# Altium PCB BEE_BOARD.PcbDoc (part 3 of 3) (continued)
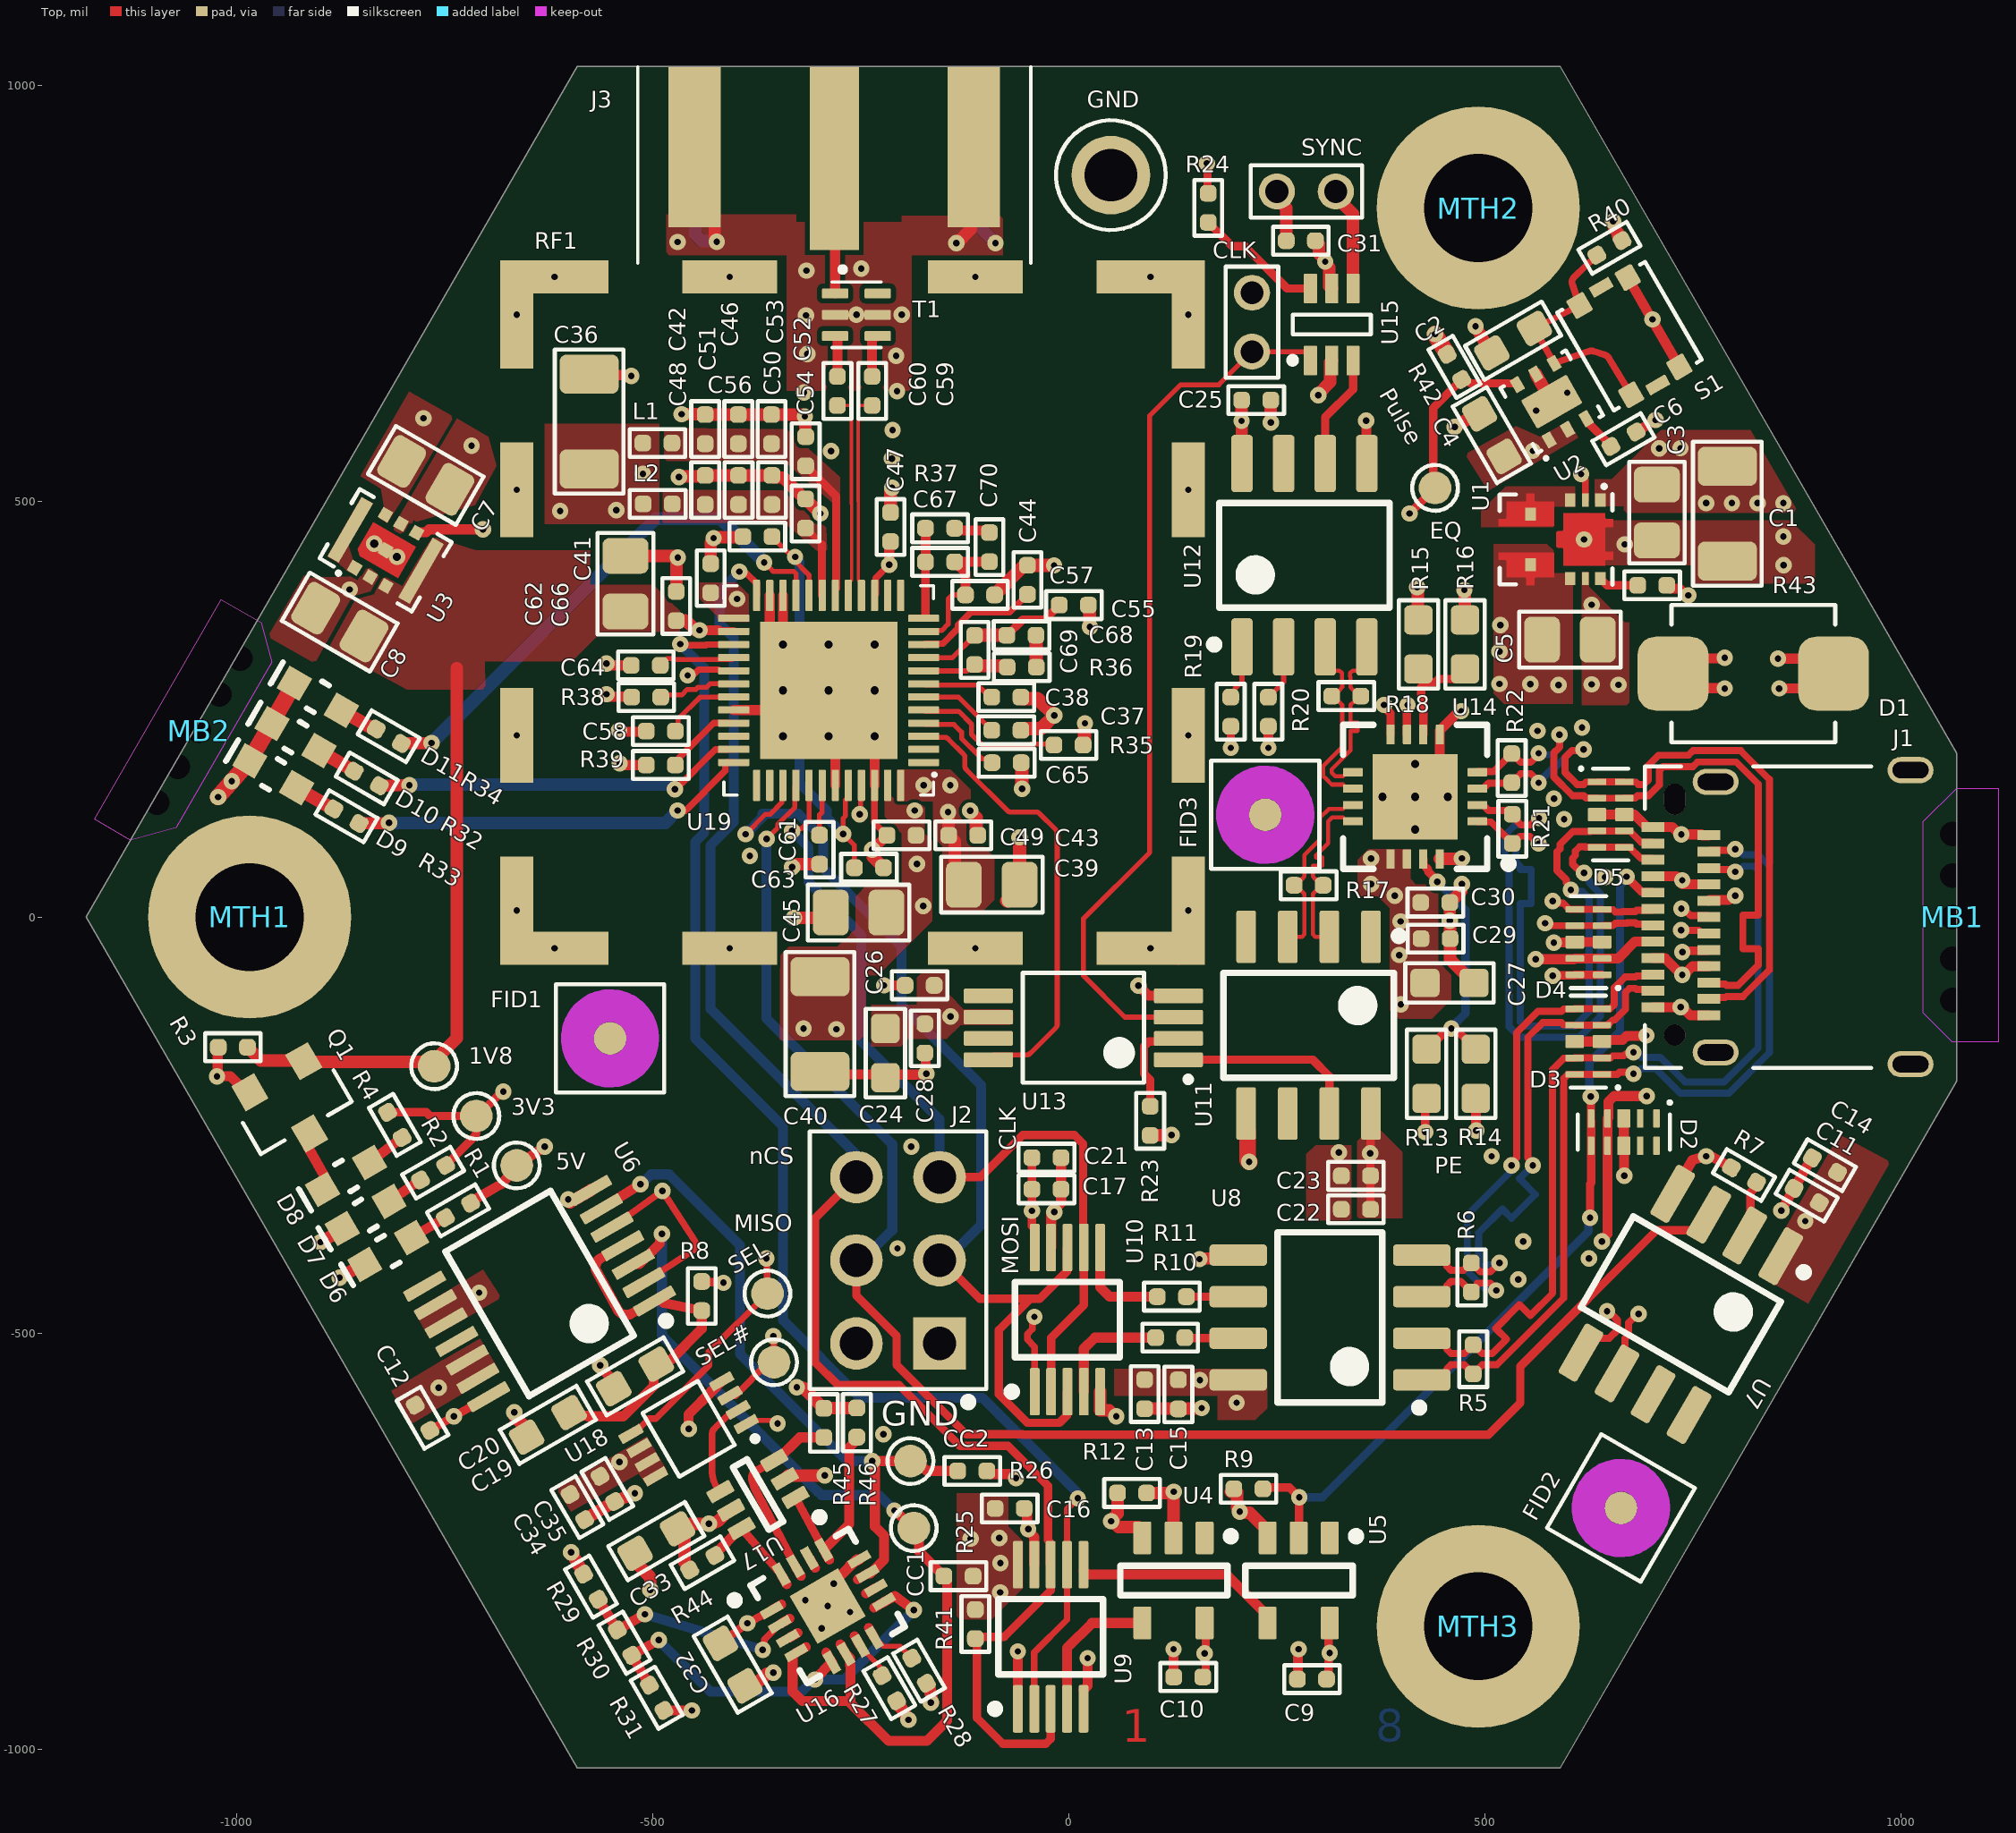
[diagram p0: Top view]
## Nets (pads, with @x,y where several pads share a name; then routed paths per layer and width w, separated by ;. In a path a pad name is that pad's centre, name@x,y a point inside that pad or via, vN(x,y) a via of type N, cw(c..) or ccw(c..) an arc to the next point about the centre after c; other vN are vias at no path point) (continued)
OUT2: R45.1 U16.15 U17.3 | length 224.6
  Top w10: U17.3@-353.89,-653.22 -375.48,-665.81 ccw(c-370.45,-674.44) -379.98,-677.48 -376.58,-688.15 U16.15@-328.61,-780.28
  Top w12: U17.3@-353.89,-653.22 -351.01,-653.22 -323.28,-625.49 R45.1@-294.32,-625.49
OUT4: R46.1 U16.13 U17.1 | length 222.2
  Top w10: U17.1@-328.3,-697.54 U16.13@-294.51,-760.6
  Top w12: U16.13@-294.51,-760.6 -263.74,-729.83 -263.74,-637.35 -258.69,-632.3 -258.69,-629.13 -257.86,-628.3 R46.1@-254.69,-628.3
PE: R13.1 R14.2 U14.15 | length 311.5
  Top w10: U14.15@426.18,69.88 426.18,62.99 431.94,57.23 431.94,54.92 442.93,43.93 v1(442.93,42.32) ; R13.1@430.12,-158.89 431.21,-158.89 455.71,-134.4 465.18,-134.4 489.18,-158.4 R14.2@489.18,-158.9
  Bottom w10: v1(442.93,42.32) 476.78,8.48 476.78,-115.77 459.96,-132.59 v1(459.96,-134.08)
PULSE: Pulse.1 R8.2 R42.1 U2.6 U18.1 | length 1970.8
  Top w6: R8.2@-441.08,-437.99 R8.2@-440.31,-438.76 ; U18.1@-387.46,-609.31 -383.03,-604.88 -357.27,-604.88 -353.56,-608.58 v1(-349.86,-608.58)
  Top w10: R8.2@-440.31,-438.76 -415.63,-438.76 v1(-414.86,-439.52) ; v1(409.6,485.28) Pulse.1@440.31,515.99 438.1,518.21 438.1,612.06 R42.1@472.34,646.31 477.97,646.31 482.64,641.63 537.68,641.63 U2.6@539.16,640.15
  Signal_1 w10: v1(-414.86,-439.52) -414.13,-440.26 -414.13,-544.32 v1(-349.86,-608.58) ; v1@-414.13,-439.52 -414.13,-340.41 -215.44,-141.73 96.5,-141.73 194.8,-43.44 194.8,108.23 263.34,176.77 263.34,339.02 v1(409.6,485.28)
RF_N: C60.2 U19.17 | length 245.5
  Top w4: C60.2@-277.91,615.11 -263.43,615.11 -261.08,612.76 -261.08,497.01 -260.92,496.85 -260.92,405 -264.8,401.13 U19.17@-264.8,386.76
RF_P: C59.2 U19.16 | length 245.5
  Top w4: U19.16@-249.05,386.76 -249.05,401.13 -252.92,405 -252.92,500.17 -253.08,500.33 -253.08,612.76 -250.74,615.11 C59.2@-236.26,615.11
RX1_N: D3.5 D3.6 J1.A3 R6.2 U8.3 | length 677.1
  Top w8.5: U8.3@424.2,-456.26 445.85,-456.26 454.4,-447.71 454.4,-442.99 459.38,-438.01 471.38,-438.01 R6.2@484.04,-450.69 484.04,-449.74 491.21,-442.57 491.21,-439.94 506.79,-439.94 513.8,-446.95 v1(513.8,-448.84) ; v1(532.14,-298.42) 532.14,-295.4 538.23,-289.31 538.23,-139.07 563.99,-113.31 592.3,-113.31 595.08,-110.53 607.8,-110.53 D3.6@608.11,-110.22 D3.5@640.98,-110.22 650.64,-110.22 655.62,-105.24 655.62,-84.88 668.51,-71.99 681.24,-71.99 682.68,-70.55 700.71,-70.55 J1.A3@702.36,-68.9
  Bottom w8.5: v1(513.8,-448.84) 511.66,-446.7 500.12,-446.7 479.01,-425.6 479.01,-358.14 530,-307.16 530,-300.56 v1(532.14,-298.42)
RX1_P: D3.4 D3.7 J1.A2 R6.1 U8.4 | length 677.1
  Top w8.5: U8.4@424.2,-406.26 445.86,-406.26 454.4,-414.8 454.4,-419.53 459.38,-424.51 474.27,-424.51 483.09,-415.69 R6.1@484.04,-415.69 494.77,-426.44 506.79,-426.44 517.54,-415.69 v1(517.68,-415.69) ; v1(557.82,-298.42) 557.82,-295.4 551.73,-289.31 551.73,-144.66 569.58,-126.81 592.3,-126.81 595.08,-129.59 607.8,-129.59 D3.7@608.11,-129.9 D3.4@640.98,-129.9 647.54,-129.9 653.73,-123.72 656.24,-123.72 669.12,-110.83 669.12,-90.47 674.1,-85.49 681.24,-85.49 682.68,-86.93 700.71,-86.93 J1.A2@702.36,-88.58
  Bottom w8.5: v1(517.68,-415.69) 515.54,-417.83 501.73,-417.83 499.56,-420.01 492.51,-420.01 492.51,-385.62 492.51,-379.61 521.15,-350.97 532.25,-362.06 560.88,-333.42 541.85,-314.39 549.88,-306.37 v1(557.82,-298.42)
RX2_N: D3.2 D3.9 J1.B3 R5.1 U8.2 | length 1079.9
  Top w8.5: U8.2@424.2,-506.26 445.86,-506.26 454.4,-514.8 454.4,-519.53 459.62,-524.75 475.49,-524.75 486.22,-514.02 496.95,-524.75 508.97,-524.75 523.21,-510.51 526.21,-507.5 513.09,-494.38 541.73,-465.74 554.85,-478.87 581.58,-452.13 581.58,-371 581.58,-183.09 595.08,-169.59 607.8,-169.59 D3.9@608.11,-169.27 D3.2@640.98,-169.27 651.22,-169.27 653.77,-166.73 667.04,-166.73 669.03,-164.74 676.6,-164.74 v1(678.74,-162.6) ; J1.B3@769.29,59.06 770.95,57.4 795.13,57.4 797.98,54.54 v1(801.01,54.54)
  Bottom w8.5: v1(678.74,-162.6) 681.77,-162.6 687.86,-168.69 711.23,-168.69 740.81,-198.28 787.63,-198.28 828.58,-157.33 828.58,56.33 823.6,61.31 810.8,61.31 804.03,54.54 v1(801.01,54.54)
RX2_P: D3.1 D3.10 J1.B2 R5.2 U8.1 | length 1079.9
  Top w8.5: U8.1@424.2,-556.26 445.86,-556.26 454.4,-547.71 454.4,-543.23 459.38,-538.25 475.49,-538.25 R5.2@486.22,-549 496.95,-538.25 514.56,-538.25 595.08,-457.72 595.08,-193.94 600.06,-188.96 659.38,-188.96 661.92,-186.42 676.87,-186.42 v1(678.74,-188.28) ; J1.B2@769.29,78.74 770.71,80.16 799.59,80.16 v1(801.01,81.57)
  Bottom w8.5: v1(678.74,-188.28) 681.77,-188.28 687.86,-182.19 705.63,-182.19 735.22,-211.78 793.22,-211.78 842.08,-162.92 842.08,61.92 829.19,74.81 810.8,74.81 804.03,81.57 v1(801.01,81.57)
SBU1: D5.1 D5.10 J1.B8 R12.1 U4.2 | length 1500.9
  Top w10: v1(581.63,-70.38) 582.15,-69.86 607.78,-69.86 D5.10@608.3,-69.33 D5.1@641.18,-69.33 ; v1(737.48,-42.13) 739.34,-40.28 758.7,-40.28 768.39,-40.28 J1.B8@769.29,-39.37
  Top w15: R12.1@93.66,-692.3 v1@118.75,-692.3 ; U4.2@125.95,-746.23 126.08,-746.11 126.08,-690.87 v1(126.2,-690.75)
  Signal_1 w10: v1(126.2,-690.75) 241.59,-575.36 635.53,-575.36 725.74,-485.15 725.74,-295.72 667.17,-237.16 667.17,-215.92 581.63,-130.38 581.63,-69.33 608.83,-42.13 v1(737.48,-42.13)
SBU2: D2.5 D2.6 J1.A8 R9.1 U5.2 | length 1065
  Top w10: R9.1@233.52,-687.3 235.1,-685.71 265.28,-685.71 v1(277.16,-697.59) 276.79,-697.96 276.79,-745.86 U5.2@276.42,-746.23 ; v1(626.57,-361.29) 626.57,-320.72 627.8,-319.48 D2.6@627.8,-274.86 627.8,-245.43 627.66,-245.28 627.66,-215.72 v1(627.52,-215.57) ; v1(670.45,48.72) 688.73,30.43 701.46,30.43 J1.A8@702.36,29.53
  Bottom w10: v1(277.16,-697.59) 304.8,-697.59 624.71,-377.68 624.71,-363.14 v1(626.57,-361.29) ; v1(627.52,-215.57) 625.92,-213.98 625.92,-174.26 662.68,-137.5 662.68,38.43 670.45,46.2 v1(670.45,48.72)
SEL: SEL.1 U9.1 U14.8 U18.5 | length 2211
  Top w8: U18.5@-526.09,-621.15 -522.85,-621.15 -504.75,-603.05 -496.61,-603.05 -432.32,-538.76 -432.32,-522.81 SEL.1@-362.02,-452.52 -360.11,-450.6 -362.72,-447.99 -362.72,-411.01 v1(-363.42,-410.32)
  Top w10: v1(378.98,255.17) 378.98,252.67 386.81,244.84 U14.8@386.81,219.49
  Top w12: v1(-61.18,-882.65) -61.1,-882.73 -61.1,-951.69 U9.1@-61.02,-951.77
  Signal_1 w10: v1(-61.18,-882.65) -163.61,-780.22 -211.56,-780.22 -327.28,-664.5 -327.28,-604.51 -373.92,-557.88 -373.92,-467.42 -363.42,-456.93 v1(-363.42,-410.32) -363.42,-363.47 -231.37,-231.42 123.64,-231.42 276.42,-78.64 276.42,152.6 v1(378.98,255.17)
SEL#: SEL#.1 U10.1 U14.7 U18.3 | length 1502.3
  Top w8: U18.3@-407.14,-575.21 -400.83,-575.21 -360.71,-535.09 SEL#.1@-354.15,-535.09 -354.61,-534.63 -354.61,-504.07 v1(-355.07,-503.61) ; v3(-41.32,-480.52) -43.55,-482.76 -43.55,-495.06 -49.67,-501.18 -49.67,-507.8 -40.86,-516.61 U10.1@-40.86,-570.49
  Top w10: U14.7@406.5,219.49 406.57,219.57 406.57,254.43 v1(407.32,255.17)
  Signal_1 w8: v1(-355.07,-503.61) -324.49,-473.02 -120.39,-473.02 -112.89,-480.52 -42.19,-480.52 -41.75,-480.08 -40.48,-481.36 -15.47,-481.36 148.89,-317 148.89,-303.03 339.75,-112.16 339.75,187.61 v1(407.32,255.17)
SEL_3V3: U17.4 U18.2 | length 115.9
  Top w8: U17.4@-418.67,-690.62 cw(c-394.91,-666.85) -428.52,-666.85 -428.52,-620.95 cw(c-420.52,-620.99) -426.2,-615.36 -412.1,-601.26 cw(c-389.21,-624.4) -399.22,-593.43 ccw(c-400.69,-588.87) U18.2@-397.3,-592.26
SPICLK: J2.5 U10.2 U10.7 U19.41 | length 1070.2
  Top w6: v1(-332.38,103.68) -329.76,106.3 -321.34,106.3 -312.04,115.59 U19.41@-312.04,158.41
  Top w10: J2.5@-155.2,-312.52 -105.79,-312.52 -55.17,-261.91 6.74,-261.91 17.36,-272.52 17.36,-396.43 U10.7@18.19,-397.27 18.19,-466.4 -21.18,-505.77 U10.2@-21.18,-570.49
  Bottom w12: v1(-332.38,103.68) -312.66,83.95 -312.66,42.21 -249.28,-21.17 -249.28,-149.07 -155.2,-243.15 J2.5@-155.2,-312.52
SPIMISO: J2.4 U7.3 U19.40 | length 1961.9
  Top w6: v1(-363.2,93.94) -349.84,107.3 -349.84,111.47 -329.12,132.18 -329.12,157.08 U19.40@-327.79,158.41
  Top w10: J2.4@-255.2,-412.52 -255.2,-455.05 -206.76,-503.49 -206.76,-538.28 -123.28,-621.75 -55.54,-621.75 -55.26,-622.04 504.55,-622.04 542.66,-583.93 542.66,-540.12 706.34,-376.43 750.39,-376.43 U7.3@769.21,-357.61
  Bottom w12: v1(-363.2,93.94) -363.2,-121.85 -212,-273.05 -212,-376.36 -248.16,-412.52 J2.4@-255.2,-412.52
SPIMOSI: J2.3 U10.3 U10.8 U19.39 | length 1293.5
  Top w6: v1(-388.21,99.79) -364.26,123.74 -358.71,123.74 -344.87,137.58 -344.87,157.08 U19.39@-343.54,158.41
  Top w10: J2.3@-155.2,-412.52 -153.03,-412.52 -106.89,-458.66 -46.1,-458.66 ; U10.3@-1.49,-570.49 -2.4,-571.4 -2.4,-599.4 -11.04,-608.04 -49.46,-608.04 -83.92,-573.58 -83.92,-496.48 -46.1,-458.66 ; U10.8@-1.49,-397.27 -2.4,-398.17 -2.4,-426.17 -34.9,-458.66 -46.1,-458.66
  Bottom w12: v1(-388.21,99.79) -367.93,120.07 -367.93,124.31 -324.95,124.31 -295.13,94.49 -295.13,58.76 -201.07,-35.3 -201.07,-105.96 -105.2,-201.82 -105.2,-369.91 -151.5,-416.22 -155.2,-419.91 J2.3@-155.2,-412.52
SPInCS: J2.6 R41.1 U9.3 U9.8 U19.24 | length 1944.7
  Top w8: v1(-395.8,415.3) -393.56,413.06 -386.97,413.06 -375.03,401.13 U19.24@-375.03,386.76
  Top w10: J2.6@-246.97,-304.29 -304.89,-362.21 -304.89,-534.94 -277.31,-562.52 -203.91,-562.52 -130.67,-635.75 -72.91,-635.75 -24.89,-683.77 -24.89,-749.14 -22.56,-751.47 -22.56,-777.64 U9.8@-21.65,-778.54 -21.75,-778.64 -21.75,-809.33 -77.57,-865.16 -110,-865.16 R41.1@-110.44,-865.6 ; R41.1@-112.2,-867.36 R41.1@-110.44,-865.6 ; U9.3@-21.65,-951.77 -21.75,-951.87 -21.75,-987.91 -27.61,-993.77 -79.17,-993.77 -110.44,-962.5 R41.1@-110.44,-865.6
  Bottom w12: v1(-395.8,415.3) -419.52,391.59 -419.52,352.53 -402.67,335.68 -402.67,114.17 -430.57,86.27 -430.57,-110.2 -255.2,-285.57 J2.6@-255.2,-312.52
SYNC: SYNC.2 U15.4 U19.29 | length 1272.8
  Top w8: v1(-457.89,290.68) -455.65,292.92 -449.56,292.92 -444.9,297.58 -420.83,297.58 -419.79,296.54 -402.92,296.54 U19.29@-402.59,296.21
  Top w15: SYNC.2@321.02,872.36 321.02,866.24 341.75,845.5 U15.4@341.75,755.78
  Signal_1 w10: v1(-457.89,290.68) -456.14,292.43 -240.52,292.43 -135.21,397.74 -135.21,409.2 166.11,710.53 166.11,788.34 192.45,814.68 292.04,814.68 319.45,842.09 319.45,870.79 SYNC.2@321.02,872.36
SYNC_BB_LVDS_N: R18.1 U12.4 U14.9 | length 229.8
  Top w5: U14.9@341.54,174.21 334.65,174.21 329.8,169.37 320.24,169.37 316.05,173.56 316.05,177.7 338.66,200.32 338.66,211.35 338.66,223.85 346.95,223.85 346.95,233.85 338.66,233.85 338.66,254.92 338.66,255.32 341.59,258.25 341.77,258.25 R18.1@349.27,265.75 ; R18.1@351.16,265.75 R18.1@349.27,265.75 ; U12.4@358.27,324.8 358.27,306.47 348.07,296.27 341.2,296.27 338.27,293.34 338.27,289.2 338.66,288.81 338.66,276.18 341.59,273.25 341.77,273.25 R18.1@349.27,265.75
SYNC_BB_LVDS_P: R18.2 U12.3 U14.10 | length 229.8
  Top w5: U12.3@308.27,324.8 308.27,306.47 318.46,296.27 325.34,296.27 328.27,293.34 328.27,285.06 328.66,284.67 328.66,276.18 325.73,273.25 325.56,273.25 R18.2@318.06,265.75 ; R18.2@316.16,265.75 R18.2@318.06,265.75 ; U14.10@341.54,154.53 334.65,154.53 329.8,159.37 316.1,159.37 308.98,166.49 306.05,169.42 306.05,181.85 328.66,204.46 328.66,255.32 325.73,258.25 325.56,258.25 R18.2@318.06,265.75
SYNC_LVCMOS: U12.6 U15.3 | length 137.8
  Top w10: U12.6@308.27,545.28 308.27,601.02 341.75,634.5 U15.3@341.75,669.16
TX1_N: D4.2 D4.9 J1.B10 R22.1 U14.4 | length 813.2
  Top w8.5: U14.4@491.14,174.21 491.81,174.88 510.73,174.88 R22.1@532.48,196.63 532.66,196.63 543.21,186.08 555.23,186.08 564.78,195.63 v1(564.78,197.03) ; v1(589.79,219.49) 589.98,219.31 589.98,204.35 583.1,197.48 583.1,168.44 605.45,146.1 619.1,146.1 621.88,143.32 634.6,143.32 D4.2@634.91,143.01 D4.9@667.78,143.01 668.1,143.32 680.81,143.32 683.59,146.1 697.05,146.1 709.93,158.99 709.93,176.67 714.37,181.1 750.31,181.1 755.81,186.6 802.1,186.6 828.6,160.09 828.6,47.27 828.6,2.52 810.2,2.52 810.2,-37.98 828.6,-37.98 828.6,-52.44 828.6,-57.94 804.71,-81.83 790.42,-81.83 788.98,-80.4 770.95,-80.4 J1.B10@769.29,-78.74
  Bottom w8.5: v1@563.94,197.03 565.82,195.15 580.77,195.15 589.98,204.35 589.98,219.31 v1(589.79,219.49)
TX1_P: D4.1 D4.10 J1.B11 R22.2 U14.3 | length 813.2
  Top w8.5: U14.3@491.14,154.53 498.03,154.53 504.55,161.04 531.89,161.04 543.41,172.58 555.23,172.58 564.78,163.04 v1(564.78,161.63) ; v1(618.72,201.72) 617.39,200.39 605.1,200.39 596.6,191.89 596.6,174.04 611.04,159.6 619.1,159.6 621.88,162.38 634.6,162.38 D4.1@634.91,162.69 D4.10@667.78,162.69 668.1,162.38 681.63,162.38 684.41,159.6 691.45,159.6 696.43,164.58 696.43,182.26 708.78,194.6 744.72,194.6 750.22,200.1 807.69,200.1 842.1,165.68 842.1,-49.21 842.1,-63.53 810.3,-95.33 790.42,-95.33 788.98,-96.77 770.95,-96.77 J1.B11@769.29,-98.43
  Bottom w8.5: v1(564.78,161.63) 564.78,162.01 581.45,178.68 583.39,178.68 605.1,200.39 617.39,200.39 v1(618.72,201.72)
TX2_N: D4.5 D4.6 J1.A10 R21.1 U14.2 | length 813.8
  Top w8.5: U14.2@491.14,134.84 498.03,134.84 504.55,128.33 528.55,128.33 R21.1@533.16,123.71 533.16,122.77 538.91,117.02 538.91,115.74 543.89,110.76 554.69,110.76 562.91,118.98 v1(565.26,118.98) ; v1(619.25,53.22) 616.22,53.22 610.63,58.81 610.56,58.81 605.58,63.79 605.58,70.83 609.03,74.27 609.03,79.5 614,84.48 621.05,84.48 621.26,84.26 634.6,84.26 D4.5@634.91,83.95 D4.6@667.78,83.95 674.34,83.95 687.74,70.55 700.71,70.55 J1.A10@702.36,68.9
  Bottom w8.5: v1(565.26,118.98) 562.91,118.98 554.69,110.76 536.59,110.76 523.7,97.87 523.7,60.48 529.28,54.91 529.28,-38.21 529.28,-131.52 542.17,-144.41 613.77,-144.41 638.87,-119.31 638.87,28.31 626.16,41.02 626.16,43.28 619.25,50.19 v1(619.25,53.22)
TX2_P: D4.4 D4.7 J1.A11 R21.2 U14.1 | length 813.8
  Top w8.5: U14.1@491.14,115.16 491.81,114.49 507.39,114.49 R21.2@533.16,88.71 534.11,88.71 542.66,97.26 554.2,97.26 563.14,88.32 v1(564.78,88.32) ; v1(603.57,32.87) 603.57,35.9 598.13,41.34 598.13,44.89 586.95,56.07 586.95,78.55 590.39,81.99 590.39,87.22 606.29,103.11 627.2,103.11 627.41,103.32 634.6,103.32 D4.4@634.91,103.64 D4.7@667.78,103.64 674.34,103.64 687.74,90.24 700.71,90.24 J1.A11@702.36,88.58
  Bottom w8.5: v1(564.78,88.32) 563.14,88.32 554.2,97.26 542.18,97.26 537.2,92.28 537.2,66.07 537.27,66.01 542.78,60.5 542.78,57.01 555.91,57.01 555.91,16.51 542.78,16.51 542.78,-28.24 542.78,-125.93 547.76,-130.91 608.18,-130.91 625.37,-113.72 625.37,22.72 617.36,30.73 605.71,30.73 v1(603.57,32.87)
VDDCLK: C55.2 C68.1 C69.2 U19.9 | length 188.3
  Top w6: U19.9@-173.36,311.71 -140.05,311.71 C69.2@-113.02,338.74 C69.2@-112.94,338.82
  Top w10: C68.1@-74.32,338.82 -55.24,357.89 -28.57,357.89 C55.2@-11.33,375.13
  Top w16: C69.2@-112.94,338.82 C68.1@-74.32,338.82
VDDIF: C38.2 U19.7 | length 87.4
  Top w6: U19.7@-173.36,280.21 -172.03,278.88 -109.4,278.88 -102.14,271.62 -101.07,271.62 -94.07,264.62 C38.2@-92.45,264.62
VDDMS: C37.2 U19.6 | length 97.4
  Top w6: U19.6@-173.36,264.46 -132.29,264.46 -115.35,247.52 C37.2@-92.45,224.62
VDDPA1: C42.2 C46.2 C50.2 C52.2 L1.2 U19.18 | length 171.5
  Top w6: U19.18@-280.55,386.76 -280.55,394.31 U19.18@-279.46,395.4
  Top w10: C52.2@-316.03,542.61 -279.46,506.04 U19.18@-279.46,395.4
VDDPA2: C48.2 C51.2 C53.2 C54.2 L2.2 U19.19 | length 89.2
  Top w8: C54.2@-316.19,467.69 -296.63,448.13 ; U19.19@-296.63,387.09 U19.19@-296.29,386.76
  Top w10: U19.19@-296.63,387.09 -296.63,448.13
VDDSYN: C44.2 U19.10 | length 151.1
  Top w8: U19.10@-173.36,327.46 -172.03,328.79 -151.31,328.79 -132.82,347.27 -132.82,351.19 -117.43,366.58 -70.95,366.58 C44.2@-49.6,387.93
VDDVCO: C57.2 C67.1 C70.1 U19.11 | length 172.3
  Top w6: U19.11@-173.36,343.2 -172.03,344.53 -152.53,344.53 -144.82,352.24 -144.82,382.57 -140,387.39 C57.2@-124.06,387.39 ; C67.1@-137.08,427.11 C67.1@-136.97,427.22 ; C70.1@-95.41,427.22 C70.1@-95.31,427.32
  Top w12: C67.1@-137.08,427.11 -124.06,414.09 C57.2@-124.06,387.39 ; C67.1@-136.97,427.22 C70.1@-95.41,427.22
pads on no net: D2.1 D2.2 D2.9 D2.10 FID1.1 FID1.2 FID2.1 FID2.2 FID3.1 FID3.2 J1. MB1.0 MB2.0 MTH1.1 MTH2.1 MTH3.1 S1.5 S1.6 T1.6 U4.1 U5.1 U6.8 U6.11 U7.7 U7.8 U11.1 U11.4 U11.6 U12.7 U13.5 U13.7 U16.3 U16.10 U16.14 U19.1 U19.2 U19.13 U19.14 U19.34 U19.37 U19.38

## Polygon pours and split planes (outlines as drawn)
3V3 on Top "NONET_L-01_P-001" (solid, pour order 52): 828.74,-430.23 888.77,-464.45 988.42,-294.86 926.59,-261.24
GND on Top "GND_L01_P023" (solid, pour order 23): 339.75,-364.79 339.75,-274.28 296.55,-274.28 285.57,-285.26 285.57,-364.51
3V3 on Top "3V3_L01_P022" (solid, pour order 22): 346.95,-362.1 346.94,-269.22 360.25,-255.91 374.47,-255.91 401.12,-282.57 401.12,-361.82
GND on Top "waveguide" (solid, pour order 9): -338.98,632.61 -188.66,632.6 -188.66,835.38 -338.98,835.38
VDDPA2 on Top "VDDPA2_L01_P033" (solid, pour order 33): -290.54,441.49 -291.32,469.14 -339.54,512.65 -489.33,514.31 -489.62,474.42 -342.15,474.09 -297.98,436.45
3V3 on Top "3V3_L01_P044" (solid, pour order 44): -506.35,-684.42 -480.81,-669.56 -507.39,-624.24 -615.65,-687.21 -597.83,-714.69 -516.88,-669.1
GND on Top "GND_L01_P043" (solid, pour order 43): -684.16,-546.6 -791.17,-610.21 -814.45,-569.31 -707.96,-506.29
3V3 on Top "3V3_L01_P042" (solid, pour order 42): -66.93,-129.43 -129.6,-129.43 -146.67,-146.5 -192.67,-146.5 -201.65,-155.47 -237.14,-155.47 -237.14,-105.63 -182.27,-105.63 -182.27,-72.89 -172.4,-63.02 -143.87,-63.02 -143.87,-93.29 -126.27,-110.89 -66.93,-110.89
3V3 on Top "3V3_L01_P039" (solid, pour order 39): -213.37,176.59 -221.83,176.59 -221.2,120.79 -200.72,100.31 -200.72,40.49 -240.74,40.49 -256.29,24.94 -256.29,-14.09 -277.85,-35.66 -336.09,-35.66 -346.83,-46.4 -346.83,-148.15 -251.26,-148.15 -244.17,-141.06 -244.17,-70.18 -229.44,-70.18 -164.37,-5.11 -164.37,91.7 -173.06,100.39 -172.83,136.06 -203.7,136.06 -213.53,145.89
3V3 on Top "3V3_L01_P041" (solid, pour order 41): 238.4,-543.16 54.8,-543.16 54.8,-575.36 179.09,-575.36 179.09,-604.51 224.13,-604.51 238.4,-590.25
3V3 on Top "3V3_L01_P040" (solid, pour order 40): -54.88,-806.84 -54.88,-750.14 -72.59,-732.43 -72.59,-692.66 -134.41,-692.66 -134.41,-844.27 -92.32,-844.27
1V8 on Top "1V8_L01_P036" (solid, pour order 36): -206.17,177.18 -206.17,139.84 -205.77,139.44 -163.04,139.44 -163.04,96.65 -151.91,85.51 -151.91,3.76 -106.56,3.76 -89.54,20.79 -89.54,71.88 -104.19,86.53 -118.05,86.53 -118.05,153.05 -142.17,177.18
3V3 on Top "3V3_L01_P038" (solid, pour order 38): 433.78,39.45 417.32,39.45 410.73,46.04 410.73,80.85 409.79,81.79 360.39,81.79 347.22,68.62 347.22,25.1 371.68,25.1 386.03,10.75 386.03,-111.8 396.51,-122.28 436.47,-122.28 459.66,-99.1 459.66,-69.22 443.9,-53.46 443.9,32.39
3V3 on Top "3V3_L01_P034" (solid, pour order 34): -383.88,355.07 -384.42,355.6 -384.42,387.42 -399.36,402.36 -443.86,402.36 -443.86,383.02 -422.58,361.73 -422.58,354.96
VDDPA1 on Top "VDDPA1_L01_P032" (solid, pour order 32): -274.61,490.27 -274.61,528.83 -339.06,586.59 -486.12,588.22 -486.41,548.63 -342.73,548.31
3V3 on Top "3V3_L01_P031" (solid, pour order 31): 612.23,576.45 600.46,596.34 566.55,577.34 537.41,590.31 476.52,556.2 504.05,512.25
GND on Top "GND_L01_P030" (solid, pour order 30): -786.96,-473.39 -768.19,-506.66 -722.45,-480.71 -682.17,-457.34 -703.81,-423.79
3V3 on Top "3V3_L01_P029" (solid, pour order 29): -819.05,473.45 -799.43,504.58 -790.19,506.27 -735.26,599.45 -793.56,631.9 -851.53,530.06 -826.39,515.06 -822.78,493.18 -831.01,480.78
GND on Top "GND_L01_P028" (solid, pour order 28): -833.88,448.92 -811.47,470.17 -735.35,599.77 -697.32,577.53 -687.71,542.37 -713.87,495.33 -793.71,472.77 -798.85,461.31 -806.6,433.18
NetU3_1 on Top "NETU3_1_L01_P027" (solid, pour order 27): -849.06,422.68 -859.98,428.53 -866.03,447.1 -836.45,497.43 -850.35,505.07 -890.85,433.6 -877.55,425.66 -868.12,416.82 -856.4,410.07
GND on Top "GND_L01_P026" (solid, pour order 26): -828.24,410.76 -842.37,386.69 -863.67,381.08 -906.33,305.01 -962.61,337.2 -918.81,410.63 -914.25,408.19 -849.59,409.96 -842.37,422.25
1V8 on Top "1V8_L01_P024" (solid, pour order 24): -775.07,441.1 -800.52,397.86 -823.7,410.49 -834.81,388.39 -856.87,382.3 -889.27,324.52 -795.25,273.79 -701.18,273.79 -701.83,307.32 -597.02,307.32 -561.21,343.12 -467.49,343.12 -467.49,368.08 -498.85,399.44 -575.54,399.44 -575.54,441.1 -712.25,441.1 -763.75,457.3
GND on Top "NONET_L01_P-001" (solid, pour order 15): 896.73,421.6 896.73,447.65 867.49,476.88 645.91,476.88 638.15,484.65 626.94,484.65 626.3,485.28 611.14,485.28 611.28,423.07 644.92,423.07 752.69,423.07 752.69,400.87 896.73,400.87
NetU1_3 on Top "NONET_L01_P-001" (solid, pour order 16): 608.91,493.73 608.48,494.15 608.48,517.99 525.25,517.99 495.66,488.41 495.66,469.03 582.3,469.03 582.72,469.46 582.72,493.09
3V3 on Top "NONET_L01_P-001" (solid, pour order 14): 605.82,413.39 605.82,256.26 523.07,256.26 510.57,268.76 510.57,448.36 574.99,448.36 582.57,440.79 582.57,413.59
GND on Top "NONET_L01_P-001" (solid, pour order 13): 616.86,414.72 616.86,254.76 673.79,254.76 673.6,354.32 668.33,354.32 625.24,397.42 625.24,414.72
5V on Top "NONET_L01_P-001" (solid, pour order 12): 632.2,494.17 667.17,494.34 667.17,485.99 876.61,485.99 876.61,585.55 711.96,585.55 652.59,526.17 632.27,526.17
GND on Top "NONET_L01_P-001" (solid, pour order 11): -483.6,844.69 -483.6,795.85 -327.63,795.85 -327.63,844.69
GND on Top "NONET_L01_P-001" (solid, pour order 10): -200.72,843.35 -200.73,795.85 -78.96,795.85 -78.96,843.35
3V3 on Top "NONET_L01_P-001" (solid, pour order 8): -492.11,472.55 -492.11,593.24 -629.77,593.24 -629.77,472.55
no net on Top Solder "NONET_L01_P-001" (solid): -271.21,593.38 -243.84,593.38 -243.84,416.27 -271.21,416.74
GND on Bottom "GND_L08_P047" (solid, pour order 47): -146.02,834.33 -146.02,797.78 -78.29,797.78 -78.29,834.87
GND on Bottom "GND_L08_P046" (solid, pour order 46): -480.96,835.82 -480.96,799.28 -413.23,799.27 -413.23,836.36
1V8 on Signal_2 "1V8_L06_P035" (solid, pour order 35): -431.14,177.18 -431.14,139.44 -163.04,139.44 -163.04,96.65 -151.91,85.51 -151.91,3.76 -106.56,3.76 -89.54,20.79 -89.54,71.88 -104.19,86.53 -118.05,86.53 -118.05,153.05 -142.17,177.18 -382.1,177.18 -382.1,367.74 -493.06,367.74 -493.06,177.18
3V3 on PWR (split plane): 814.1,595.47 714.01,595.47 711.44,595.14 709.05,594.14 706.99,592.57 637.16,522.73 635.58,520.68 634.59,518.28 634.25,515.71 634.25,-177.04 634.59,-179.61 635.58,-182 637.16,-184.06 668.32,-215.21 670.37,-216.79 672.77,-217.78 675.33,-218.12 1031.97,-218.12 578.95,-1002.77 -578.95,-1002.77 -1157.9,0 -578.94,1002.77 578.95,1002.78
5V on PWR (split plane): 1047.35,191.47 1047.35,-191.47 1043.43,-198.26 679.45,-198.26 654.11,-172.92 654.11,511.6 718.12,575.62 825.56,575.62
GND on GND_2 (split plane): 1047.35,191.47 1047.35,-191.47 578.95,-1002.77 -578.95,-1002.77 -1157.9,0 -578.94,1002.77 578.95,1002.78
GND on GND_1 (split plane): 1047.35,191.47 1047.35,-191.47 578.95,-1002.77 -578.95,-1002.77 -1157.9,0 -578.94,1002.77 578.95,1002.78
GND on GND_3 (split plane): 1047.35,191.47 1047.35,-191.47 578.95,-1002.77 -578.95,-1002.77 -1157.9,0 -578.94,1002.77 578.95,1002.78

## Other copper
Top:
  text "1" at 63.83,-991.79 h39.37
Signal_1:
  text "3" at 140.4,-991.79 h39.37
Signal_2:
  text "6" at 277.29,-991.79 h39.37
Bottom:
  text "8" at 368.56,-991.79 h39.37
GND_1 (plane layer: these items are gaps in the copper):
  text "2" at 94.77,-991.79 h39.37
GND_2 (plane layer: these items are gaps in the copper):
  text "4" at 185.2,-991.79 h39.37
PWR (plane layer: these items are gaps in the copper):
  lines w19.68: 832.49,585.55 714.01,585.55 644.18,515.71 644.18,-177.04 675.33,-208.19 1065.63,-208.19
  text "5" at 231.66,-991.79 h39.37
GND_3 (plane layer: these items are gaps in the copper):
  text "7" at 323.58,-991.79 h39.37

## Silkscreen, mask and mechanical layers (free items; w line width, h text height)
Top Overlay:
  text "EQ" at 433.84,454.95 h20
  text "CLK" at -63.36,-280.96 h20 r90
  text "nCS" at -383.85,-297.05 h20
  text "PE" at 439.85,-308.42 h20
  text "MISO" at -402.05,-377.68 h20
  text "MOSI" at -60.31,-429.7 h20 r90
  text "GND" at -225.55,-611.61 h30
Bottom Overlay:
  region: -394.06,-676.45 -648.35,-235.99 -910.99,-387.63 -656.69,-828.08
  text ".Project_Name" at 78.55,516.66 h78.74
  text "Revision .Project_Revision" at 78.55,453.72 h40
  text "BTN reset the  / USB-C gates / Expect 500ms / Delay" at 667.17,371.06 h30 r300
  text "Designed by: / .Project_Designer1 / .Project_Designer2 / .Project_Designer3" at -258.52,144.26 h36
  text "Serial #" at -403.66,-661.5 h39.37 r300
  text "1" at -39.37,-669.29 h393.7
Board Outline:
  the board outline again, w0.79
Route Tool Path:
  lines w100: -1155.87,143.7 -1224.38,25.05 ; -1030.87,360.21 -633.88,1047.82 ; 1115.75,-204.72 1115.75,-125 ; 1115.75,125 1115.75,204.72 ; -1224.38,-25.05 cw(c-1181.1,0) -1224.4,25 -1224.38,25.05 ; -1224.38,-25.05 -1224.4,-25 cw(c-1181.1,0) -1224.38,25.05 ; -1224.38,-25.05 -633.88,-1047.82 ; -633.88,-1047.82 ccw(c-590.55,-1022.86) -590.55,-1072.87 cw(c-590.55,-1022.86) -633.85,-1047.87 -633.88,-1047.82 ; -633.88,1047.82 cw(c-590.55,1022.87) -590.55,1072.87 ccw(c-590.55,1022.87) -633.85,1047.87 -633.88,1047.82 ; 633.88,-1047.82 cw(c590.55,-1022.86) 590.55,-1072.87 ccw(c590.55,-1022.86) 633.85,-1047.87 633.88,-1047.82 ; 633.88,-1047.82 1110.72,-221.9 ; 633.85,1047.87 ccw(c590.55,1022.87) 590.55,1072.87 cw(c590.55,1022.87) 633.85,1047.87 ; 633.85,1047.87 1110.75,221.85 ; 1110.72,-221.9 ccw(c1067.45,-196.85) 1117.45,-196.85 cw(c1067.45,-196.85) 1110.75,-221.85 1110.72,-221.9 ; 1110.75,221.85 cw(c1067.45,196.85) 1117.45,196.85 ccw(c1067.45,196.85) 1110.75,221.85

## Text inside footprints (layer, text, board x,y; h text height)
J1: Top Assembly "A12" at 723.35,115 h20 r90; Top Assembly "B1" at 818.29,119.99 h20 r90; Top Assembly "B12" at 813.69,-164.17 h20 r90; Top Assembly "A1" at 723.35,-160 h20 r90
J3: Top Assembly "Board edge / 62 mils PCB" at -116.97,1174.13 h31.5 r180
MB1: Top Assembly "Board Edge" at 1037.13,-85 h20 r90
MB2: Top Assembly "Board Edge" at -981.52,285.53 h20 r240